# KiCad board Controller.kicad_pcb
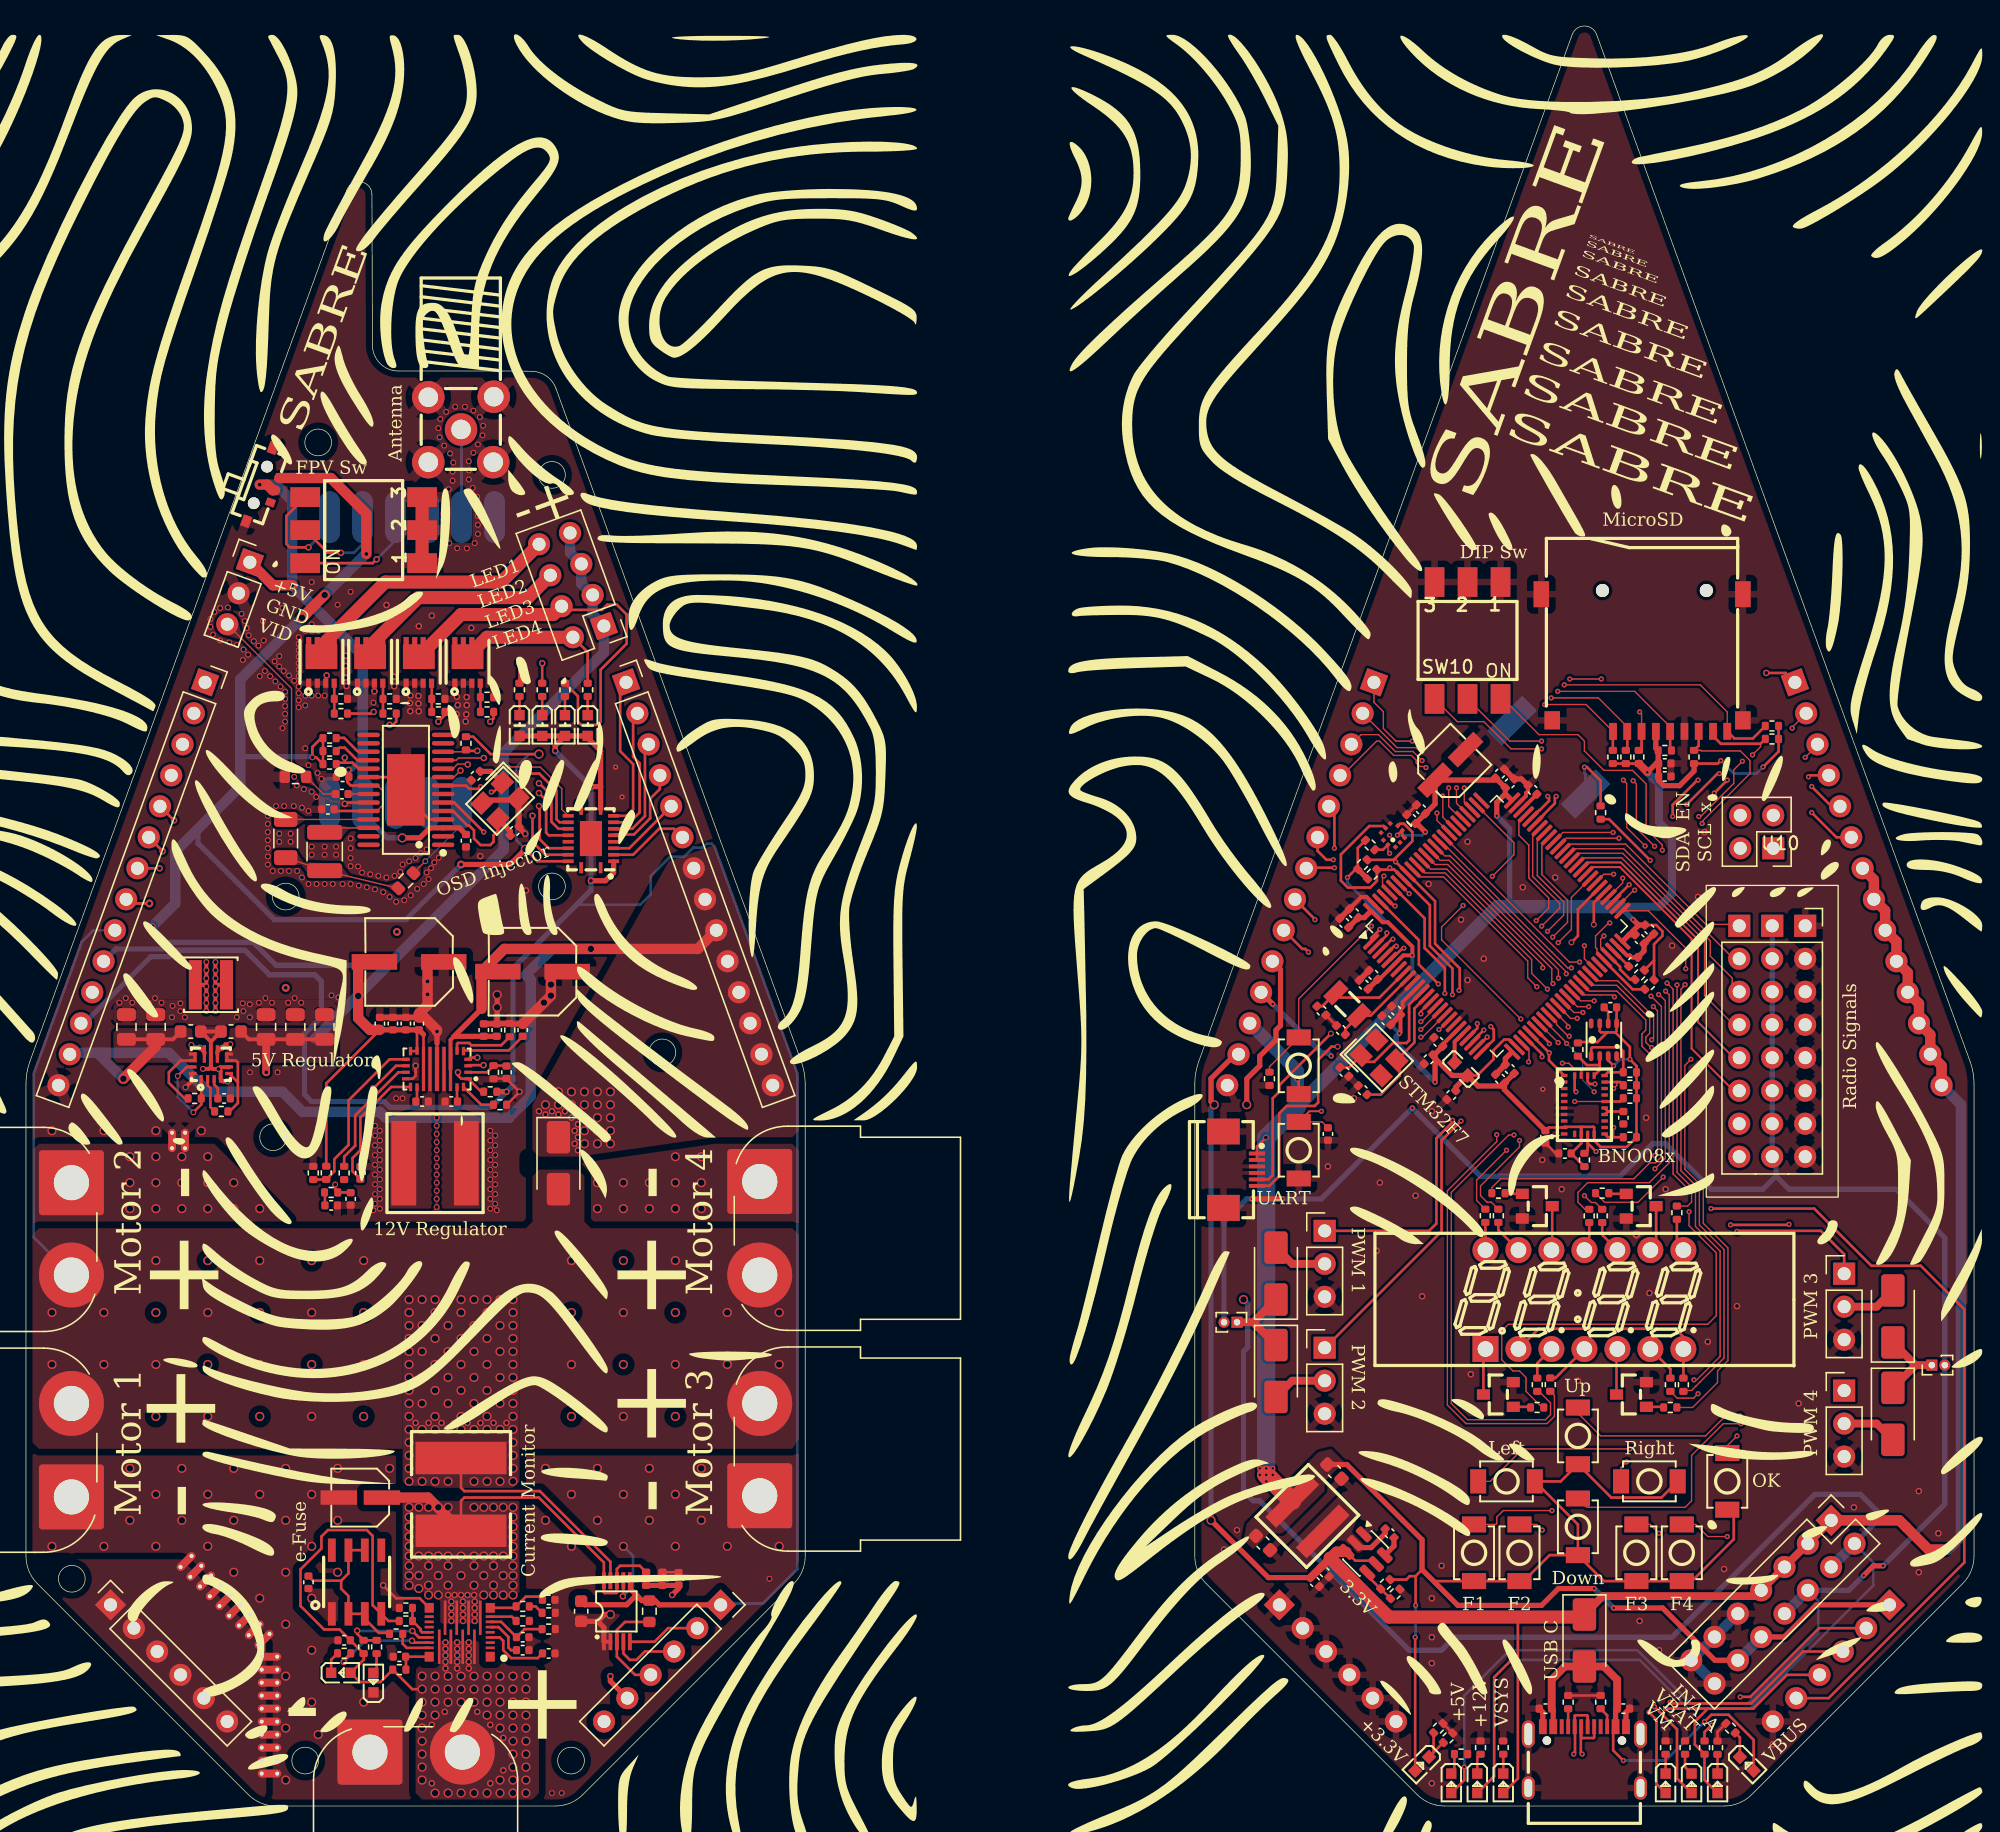
[diagram p0: board, top side]
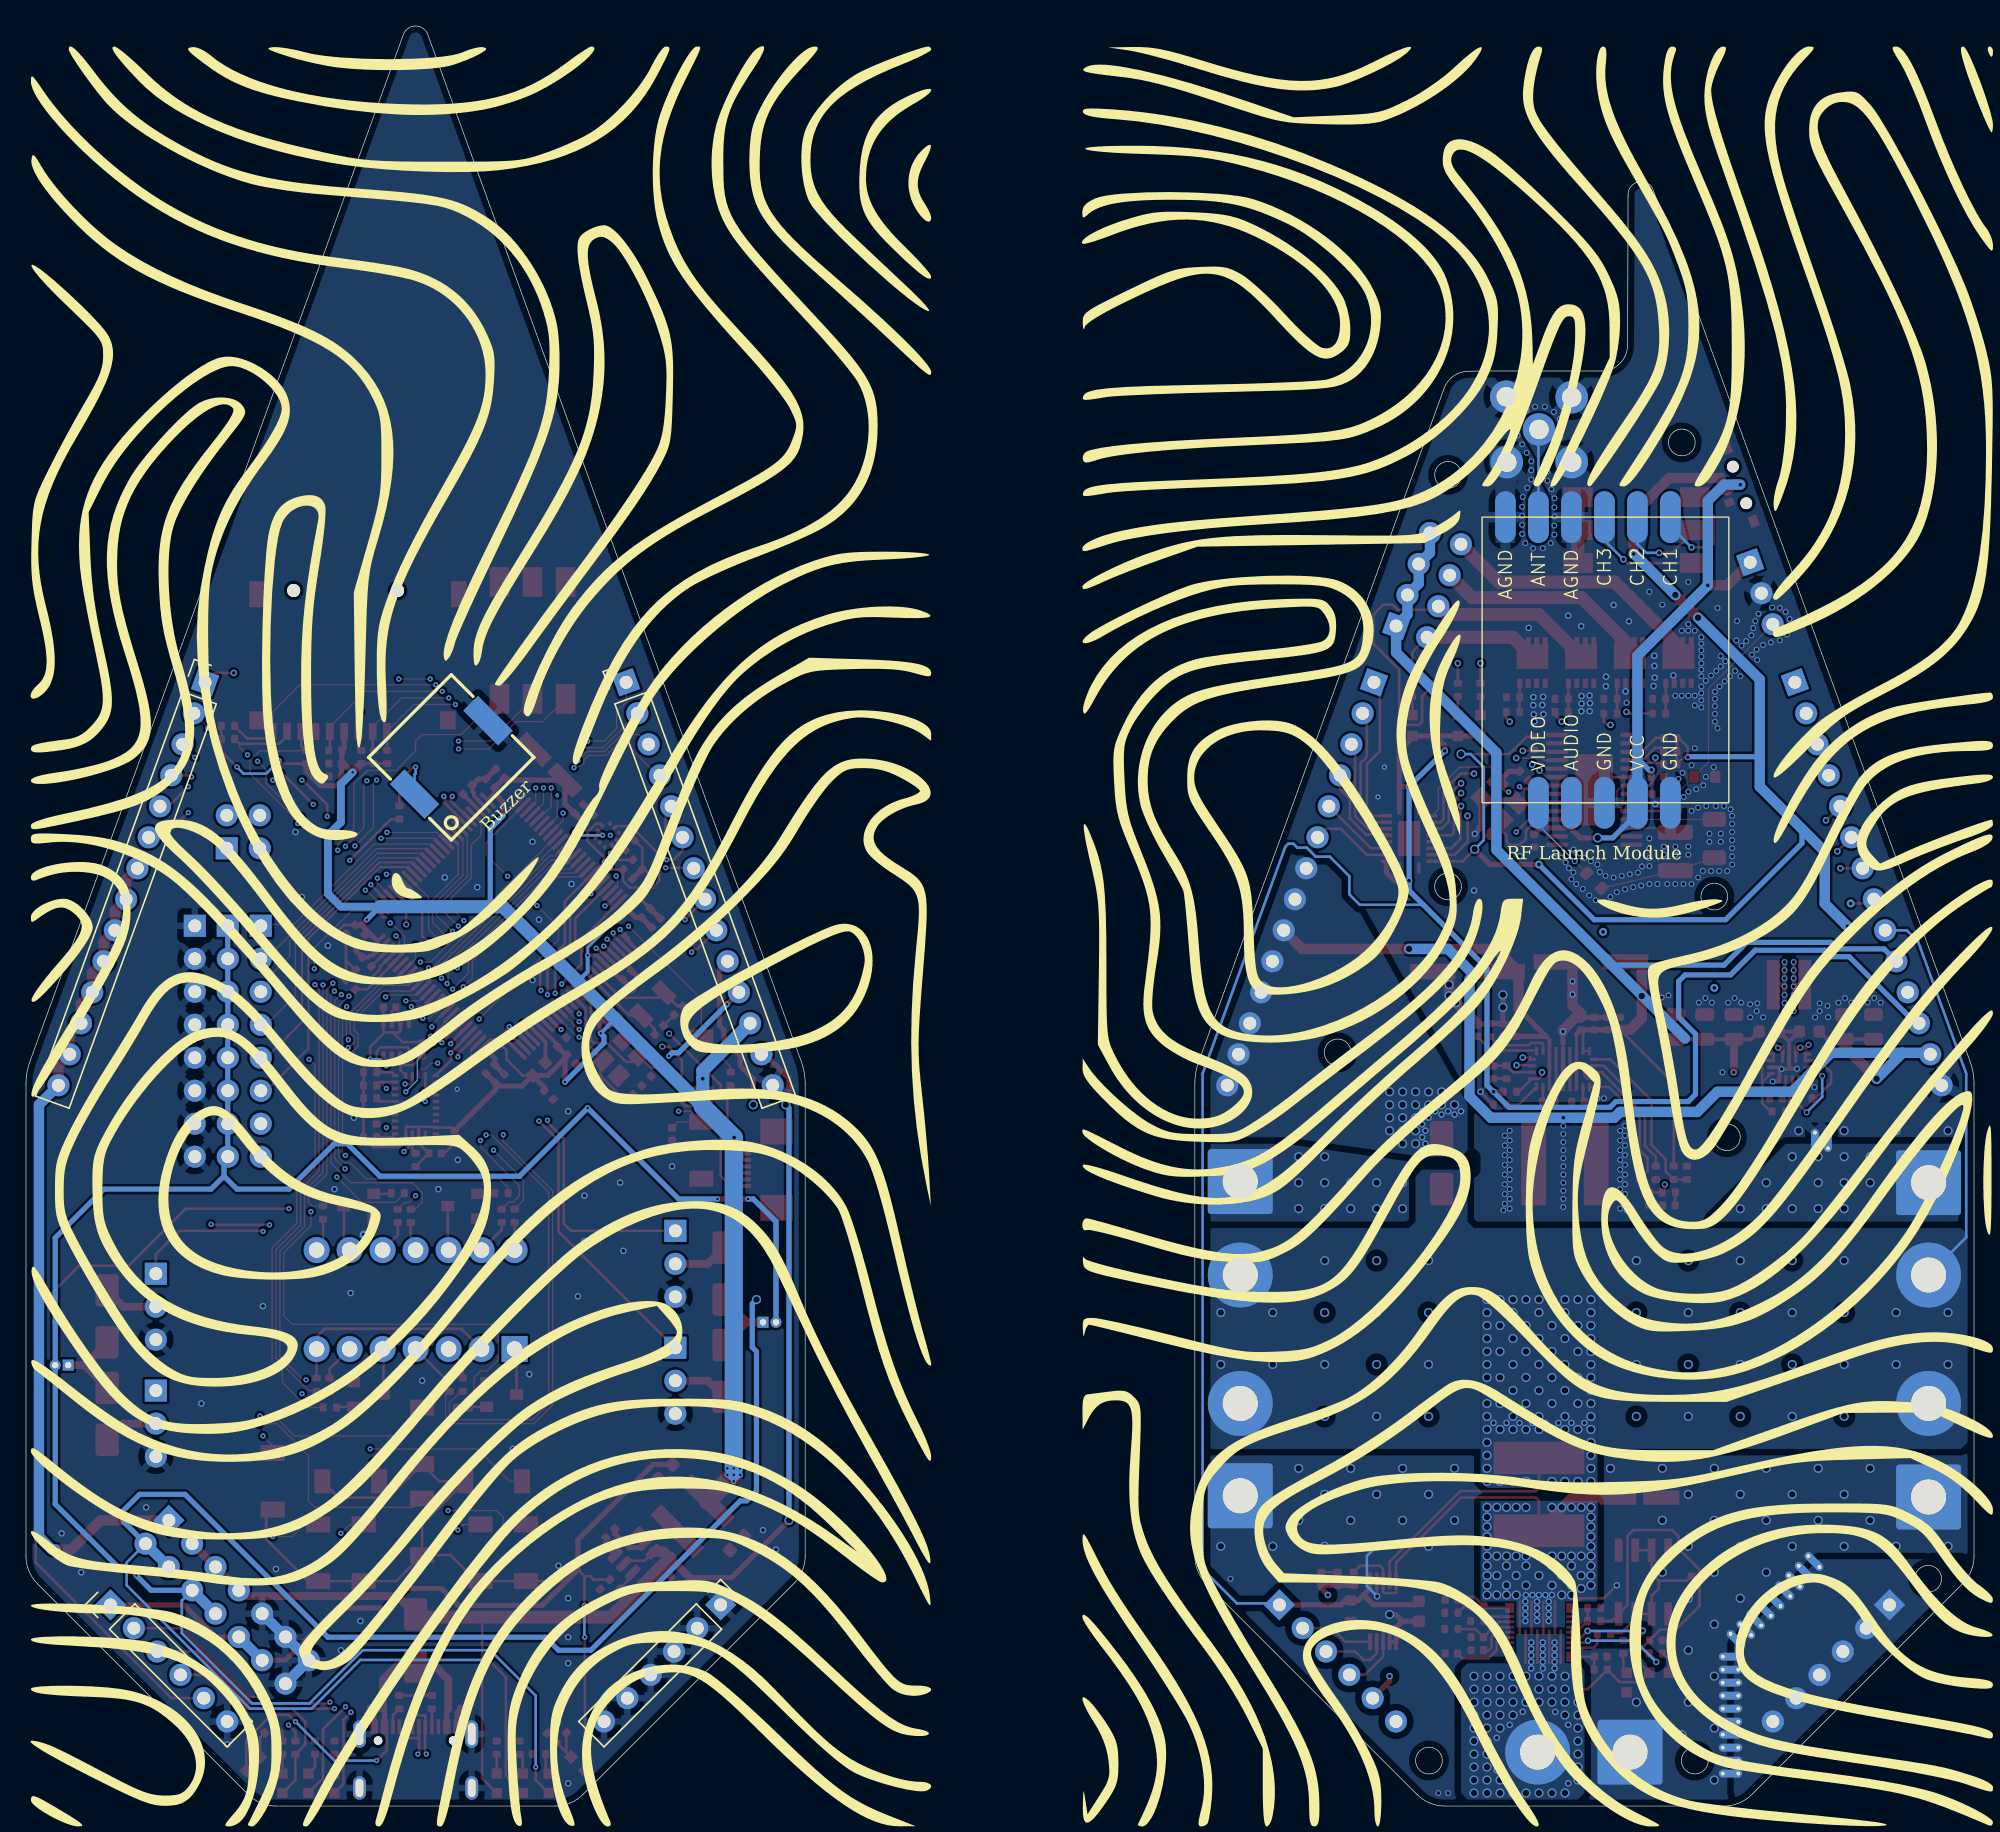
[diagram p1: board, bottom side, seen from below]

Outline 150 x 137.07 mm; copper layers: Top, In1.Cu, In2.Cu, Bottom. Coordinates in mm from the lower left corner of the outline.
Outline path: circle c3.53,17.5 r1.03 ; circle c19.03,51.5 r1.03 ; circle c20,70.03 r1.03 ; circle c21.5,3.5 r1.03 ; circle c22.5,105 r1.03 ; circle c40.5,102.5 r1.03 ; circle c40.5,70.81 r1.03 ; circle c41.97,3.5 r1.03 ; circle c49,58.03 r1.03 ; 0,55.62 arc(0.08,56.49) 0.3,57.33 24.7,124.42 arc(25.81,125.07) 26.64,124.09 26.68,112.49 arc(27.26,111.08) 28.68,110.5 38,110.5 38.98,110.48 arc(40.09,110.1) 40.81,109.16 53.5,74.25 55.9,67.76 59.7,57.33 arc(59.92,56.49) 60,55.62 60,19.24 arc(59.77,18.09) 59.12,17.12 42.88,0.88 arc(41.91,0.23) 40.76,0 19.24,0 arc(18.09,0.23) 17.12,0.88 0.88,17.12 arc(0.23,18.09) 0,19.24 0,55.62 ; 90,55.62 arc(90.08,56.49) 90.3,57.33 94,67.5 104.57,96.47 119.06,136.41 arc(120,137.07) 120.94,136.41 135.43,96.47 149.7,57.33 arc(149.92,56.49) 150,55.62 150,19.24 arc(149.77,18.09) 149.12,17.12 132.88,0.88 arc(131.91,0.23) 130.76,0 109.24,0 arc(108.09,0.23) 107.12,0.88 90.88,17.12 arc(90.23,18.09) 90,19.24 90,55.62
Stack: Top 0.035mm / dielectric 0.1mm FR4 er 4.5 / In1.Cu 0.035mm / dielectric 1.24mm FR4 er 4.5 / In2.Cu 0.035mm / dielectric 0.1mm FR4 er 4.5 / Bottom 0.035mm

## Placement (name value [footprint] x y rotation side)
BUZ1  CPT-9019S-SMT-TR  [BUZ-SMD_L9.0-W9.0-P8.00-LS9.3]  117.25 80.75 135 bottom
C1  0.1uF  [C_0603_1608Metric]  42.75 15 90 top
C2  100nF  [C_0402_1005Metric]  15.26 54.49 0 top
C3  10uF  [C_0603_1608Metric]  12.69 59.64 180 top
C4  10uF  [C_0805_2012Metric]  7.74 59.99 270 top
C5  10uF  [C_0805_2012Metric]  9.99 59.99 270 top
C6  10uF  [C_0603_1608Metric]  15.79 59.64 0 top
C7  22uF  [C_0805_2012Metric]  20.74 59.99 270 top
C8  22uF  [C_0805_2012Metric]  22.99 59.99 270 top
C9  22uF  [C_0805_2012Metric]  18.49 59.99 270 top
C10  2.2uF  [C_0402_1005Metric]  99.25 17.25 315 top
C11  100nF  [C_0402_1005Metric]  105 21 135 top
C12  22uF  [C_0603_1608Metric]  100.75 25.75 135 top
C13  22uF  [C_0603_1608Metric]  95.25 20.25 135 top
C14  100nF  [C_0402_1005Metric]  32.75 54.25 180 top
C15  100nF  [C_0402_1005Metric]  30.5 54.25 0 top
C16  22uF  [C_0402_1005Metric]  35.25 59.75 270 top
C17  4.7uF  [C_0402_1005Metric]  25.75 48.75 270 top
C18  22nF  [C_0402_1005Metric]  38.25 59.75 270 top
C19  22uF  [C_0402_1005Metric]  28.25 60.25 270 top
C20  22uF  [C_0402_1005Metric]  27.25 60.25 270 top
C21  22uF  [C_0402_1005Metric]  30.25 60.25 270 top
C22  22uF  [C_0402_1005Metric]  29.25 60.25 270 top
C23  3300pF  [C_0402_1005Metric]  25 46.75 90 top
C24  330pF  [C_0402_1005Metric]  23.5 46.25 180 top
C25  47uF  [CAP-SMD_BD6.3-L6.6-W6.6-LS7.2-FD]  29.5 65 180 top
C27  100nF  [C_0402_1005Metric]  36.25 59.75 270 top
C28  22nF  [C_0402_1005Metric]  50.25 17.5 270 top
C29  100nF  [C_0402_1005Metric]  106.66 76 135 top
C30  100nF  [C_0402_1005Metric]  107.41 76.75 135 top
C31  100nF  [C_0402_1005Metric]  123 53 90 top
C32  100nF  [C_0402_1005Metric]  118.5 50.25 0 top
C33  100nF  [C_0402_1005Metric]  117 51.52 90 top
C34  100nF  [C_0402_1005Metric]  122 61.5 0 top
C35  10uF  [C_0402_1005Metric]  117 7.5 180 top
C36  100nF  [C_0402_1005Metric]  33.88 74.33 90 top
C37  100nF  [C_0402_1005Metric]  23.25 76.75 0 top
C38  100nF  [C_0402_1005Metric]  24.38 79.25 0 top
C39  20pF  [C_0402_1005Metric]  34.63 79.33 225 top
C40  20pF  [C_0402_1005Metric]  37.63 75.08 225 top
C41  100nF  [C_0402_1005Metric]  24.33 77.92 0 top
C42  RVT1C220M0405_C3356_22uF  [CAP-SMD_BD4.0-L4.3-W4.3-FD-LS5.3]  109.67 80.17 45 top
C43  10uF  [C_0402_1005Metric]  103 63.25 135 top
C44  100nF  [C_0402_1005Metric]  37 56.5 270 top
C45  100nF  [C_0402_1005Metric]  124.25 66.75 315 top
C46  100nF  [C_0402_1005Metric]  114.25 56.75 135 top
C47  100nF  [C_0402_1005Metric]  104.75 60.5 135 top
C48  100nF  [C_0402_1005Metric]  103.75 64 135 top
C49  100nF  [C_0402_1005Metric]  109.75 54.75 225 top
C50  100nF  [C_0402_1005Metric]  102.25 68.75 135 top
C51  100nF  [C_0402_1005Metric]  114.25 78.75 45 top
C52  1uF  [C_0402_1005Metric]  101.5 68 135 top
C53  1uF  [C_0402_1005Metric]  113.5 79.5 45 top
C54  1uF  [C_0402_1005Metric]  113.5 56 135 top
C55  1uF  [C_0402_1005Metric]  125 67.5 315 top
C56  10uF  [C_0402_1005Metric]  105.5 61.25 135 top
C57  2.2uF  [C_0402_1005Metric]  123.75 65 225 top
C58  2.2uF  [C_0402_1005Metric]  116 78.25 315 top
C59  6.8pF  [C_0402_1005Metric]  99.75 61.25 315 top
C60  20pF  [C_0402_1005Metric]  102.93 55.12 135 top
C61  20pF  [C_0402_1005Metric]  101.52 56.53 135 top
C62  6.8pF  [C_0402_1005Metric]  101.25 59.75 135 top
C63  100nF  [C_0402_1005Metric]  100.25 51.75 270 top
C64  100nF  [C_0402_1005Metric]  108 57.5 225 top
C65  1uF  [C_0402_1005Metric]  108.75 58.84 135 top
C66  100uF  [C_1210_3225Metric]  23 73.5 90 top
C67  100nF  [C_0402_1005Metric]  126.19 80.28 0 top
C68  10uF  [C_0402_1005Metric]  126.19 79.28 0 top
C69  0.1uF  [C_0402_1005Metric]  28.75 11.5 0 top
C70  15nF  [C_0402_1005Metric]  38.25 12 0 top
C71  3.3nF  [C_0402_1005Metric]  40.25 11.75 0 top
C72  10nF  [C_0402_1005Metric]  38.25 13 180 top
C73  150pF  [C_0402_1005Metric]  40.25 15.88 180 top
C74  RVT1C220M0405_C3356_22uF  [CAP-SMD_BD4.0-L4.3-W4.3-FD-LS5.3]  25.75 23.75 180 top
C75  0.1uF  [C_0402_1005Metric]  24.5 12.76 0 top
C76  0.1uF  [C_0402_1005Metric]  21.75 17.23 270 top
C77  10uF  [C_0402_1005Metric]  123 7.5 0 top
C78  100nF  [C_0402_1005Metric]  100 18 315 top
C79  22uF  [C_1206_3216Metric]  20 74.5 90 top
Card2  TF-01A  [TF-SMD_TF-01A]  124.44 88.03 180 top
CN1  XT60PW_M  [AMASS_XT60PW-M_1x02_P7.20mm_Horizontal]  33.6 4.15 180 top
CN2  XT60PW_F  [AMASS_XT60PW-F_1x02_P7.20mm_Horizontal#2]  3.5 31 90 top
CN4  XT60PW_F  [AMASS_XT60PW-F_1x02_P7.20mm_Horizontal]  3.5 48 90 top
CN5  XT60PW_F  [AMASS_XT60PW-F_1x02_P7.20mm_Horizontal#2]  56.5 40.89 270 top
CN6  XT60PW_F  [AMASS_XT60PW-F_1x02_P7.20mm_Horizontal]  56.5 23.89 270 top
D1  SS34  [D_SMA]  120 12.75 270 top
D2  SS34  [D_SMA]  41 49.5 270 top
D3  SS34  [D_SMA]  96.25 41 90 top
D4  SS34  [D_SMA]  96.25 33.5 270 top
D5  SS34  [D_SMA]  143.75 37.7 90 top
D6  SS34  [D_SMA]  143.75 30.2 270 top
GPS  FPC-05F-6PH20  [FPC-SMD_6P-P0.50_XUNPU_FPC-05F-6PH20]  93.5 49 270 top
J1  Conn_02x07_Odd_Even  [PinHeader_2x07_P2.54mm_Vertical]  139 22 315 top  (not fitted)
J2  Conn_01x02_Pin  [PinHeader_1x02_P1.00mm_Vertical]  93.25 37.25 270 top
J5  Conn_01x03_Pin  [PinHeader_1x03_P2.54mm_Vertical]  100 44.29 0 top
J6  Conn_01x03_Pin  [PinHeader_1x03_P2.54mm_Vertical]  100 35.29 0 top
J7  Conn_01x03_Pin  [PinHeader_1x03_P2.54mm_Vertical]  140 40.99 0 top
J8  Conn_01x03_Pin  [PinHeader_1x03_P2.54mm_Vertical]  140 31.99 0 top
J9  Conn_01x02_Pin  [PinHeader_1x02_P1.00mm_Vertical]  146.75 33.95 90 top
J10  Conn_01x03_Pin  [PinHeader_1x03_P2.54mm_Vertical]  17.24 95.77 340 top
J12  Conn_02x02_Top_Bottom  [PinHeader_2x02_P2.54mm_Vertical]  134.54 73.75 180 top  (not fitted)
J13  Conn_01x14_Pin  [PinHeader_1x14_P2.54mm_Vertical]  92.5 55.5 160 bottom
J14  Conn_01x06_Pin  [PinHeader_1x06_P2.54mm_Vertical]  143.49 15.49 135 bottom
J15  Conn_01x14_Socket  [PinSocket_1x14_P2.54mm_Vertical]  2.5 55.5 340 top
J16  Conn_01x06_Socket  [PinSocket_1x06_P2.54mm_Vertical]  53.49 15.49 315 top
J17  Conn_01x06_Socket  [PinSocket_1x06_P2.54mm_Vertical]  6.51 15.49 45 top
J18  Conn_01x14_Pin  [PinHeader_1x14_P2.54mm_Vertical]  147.5 55.5 200 bottom
J19  Conn_01x06_Pin  [PinHeader_1x06_P2.54mm_Vertical]  96.51 15.49 225 bottom
J20  Conn_01x14_Socket  [PinSocket_1x14_P2.54mm_Vertical]  57.5 55.5 20 top
J21  Conn_02x04_Odd_Even  [PinHeader_2x04_P2.54mm_Vertical]  44.5 90.87 200 top
L1  XFL4020-152MEC  [IND-SMD_L4.0-W4.0-A]  14.24 63.24 180 top
L2  FCM1608KF-601T03  [L0603]  110.5 56.75 315 top
LED1  FJ2481CH  [LED-SEG-TH_14P-L32.2-W10.2-P2.54-S7.62-BL]  120 39 0 top
LED2  KT-0603YG  [LED0603-RD]  132.5 3.25 315 top
LED3  KT-0603R  [LED0603-RD]  130.25 1.75 270 top
LED4  KT-0603W  [LED0603-R-RD_WHITE]  38 83.2 270 top
LED5  KT-0603W  [LED0603-R-RD_WHITE]  39.75 83.2 270 top
LED6  KT-0603W  [LED0603-R-RD_WHITE]  41.5 83.2 270 top
LED7  KT-0603W  [LED0603-R-RD_WHITE]  43.25 83.2 270 top
LED8  KT-0603R  [LED0603-RD]  24.25 10.26 0 top
LED9  KT-0603YG  [LED0603-RD]  26.75 9.5 90 top
LED11  KT-0603YG  [LED0603-RD]  128.25 1.75 270 top
LED12  KT-0603YG  [LED0603-RD]  126.25 1.75 270 top
LED13  KT-0603YG  [LED0603-RD]  113.75 1.75 270 top
LED14  KT-0603YG  [LED0603-RD]  111.75 1.75 270 top
LED15  KT-0603YG  [LED0603-RD]  109.75 1.75 270 top
LED16  KT-0603YG  [LED0603-RD]  107.5 3.25 225 top
NT1  NetTie_2  [NetTie-2_THT_Pad0.3mm]  14.9 15.4 45 top
NT7  NetTie_2  [NetTie-2_THT_Pad0.3mm]  15.65 14.65 45 top
NT8  NetTie_2  [NetTie-2_THT_Pad0.3mm]  16.4 13.9 45 top
NT9  NetTie_2  [NetTie-2_THT_Pad0.3mm]  17.15 13.15 45 top
NT10  NetTie_2  [NetTie-2_THT_Pad0.3mm]  11.9 18.4 45 top
NT10#2  NetTie_2  [NetTie-2_THT_Pad0.3mm]  18.15 11.5 0 top
NT10#3  NetTie_2  [NetTie-2_THT_Pad0.3mm]  18.15 3.5 0 top
NT10#4  NetTie_2  [NetTie-2_THT_Pad0.3mm]  18.15 7.5 0 top
NT11  NetTie_2  [NetTie-2_THT_Pad0.3mm]  12.65 17.65 45 top
NT11#2  NetTie_2  [NetTie-2_THT_Pad0.3mm]  18.15 10.5 0 top
NT11#3  NetTie_2  [NetTie-2_THT_Pad0.3mm]  18.15 6.5 0 top
NT11#4  NetTie_2  [NetTie-2_THT_Pad0.3mm]  18.15 2.5 0 top
NT12  NetTie_2  [NetTie-2_THT_Pad0.3mm]  12.25 51.85 270 top
NT13  NetTie_2  [NetTie-2_THT_Pad0.3mm]  18.15 4.5 0 top
NT13#2  NetTie_2  [NetTie-2_THT_Pad0.3mm]  18.15 8.5 0 top
NT13#3  NetTie_2  [NetTie-2_THT_Pad0.3mm]  14.15 16.15 45 top
NT14  NetTie_2  [NetTie-2_THT_Pad0.3mm]  17.9 12.4 45 top
NT15  NetTie_2  [NetTie-2_THT_Pad0.3mm]  18.15 9.5 0 top
NT15#2  NetTie_2  [NetTie-2_THT_Pad0.3mm]  13.4 16.9 45 top
NT15#3  NetTie_2  [NetTie-2_THT_Pad0.3mm]  18.15 5.5 0 top
NT16  NetTie_2  [NetTie-2_THT_Pad0.3mm]  11.25 51.85 270 top
Q1  CSD16340Q3  [VSON-CLIP-8_L3.3-W3.3-P0.65-BL]  22.75 88.06 0 top
Q2  CSD16340Q3  [VSON-CLIP-8_L3.3-W3.3-P0.65-BL]  26.5 88.06 0 top
Q3  CSD16340Q3  [VSON-CLIP-8_L3.3-W3.3-P0.65-BL]  34 88.06 0 top
Q5  CSD16340Q3  [VSON-CLIP-8_L3.3-W3.3-P0.65-BL]  30.25 88.06 0 top
Q7  LBSS138LT1G  [SOT-23_L2.9-W1.3-P1.90-LS2.4-BR]  113.37 31.69 0 top
Q8  LBSS138LT1G  [SOT-23_L2.9-W1.3-P1.90-LS2.4-BR]  123.62 31.69 0 top
Q9  LBSS138LT1G  [SOT-23_L2.9-W1.3-P1.90-LS2.4-BR]  124.37 46.19 180 top
Q10  LBSS138LT1G  [SOT-23_L2.9-W1.3-P1.90-LS2.4-BR]  116.37 46.19 180 top
R1  5.1K  [R_0402_1005Metric]  121.25 8 90 top
R2  5.1K  [R_0402_1005Metric]  118.75 8 90 top
R3  HOLR2725D-4W-2MR-1%  [R2725]  33.5 24 270 top
R4  220  [R_0402_1005Metric]  130.25 4.49 90 top
R5  680  [R_0402_1005Metric]  127.75 4.5 90 top
R6  10K  [R_0402_1005Metric]  129.25 4.5 90 top
R7  10K  [R_0402_1005Metric]  12.99 54.49 0 top
R8  100K  [R_0402_1005Metric]  15.04 53.49 0 top
R9  100K  [R_0402_1005Metric]  104.67 17.08 45 top
R10  22.1K  [R_0402_1005Metric]  105.42 16.34 45 top
R11  68K  [R_0402_1005Metric]  23.12 48.76 90 top
R12  10K  [R_0402_1005Metric]  23.5 47.25 0 top
R13  56K  [R_0402_1005Metric]  24.5 48.75 90 top
R14  56K  [R_0402_1005Metric]  37.25 59.75 90 top
R15  24K  [R_0402_1005Metric]  38.25 15.38 0 top
R16  4.7K  [R_0402_1005Metric]  22.12 48.75 270 top
R17  220  [R_0402_1005Metric]  24.25 84.12 0 top
R18  220  [R_0402_1005Metric]  28 84.12 0 top
R19  220  [R_0402_1005Metric]  35.5 84.25 0 top
R20  10K  [R_0402_1005Metric]  36.5 54 0 top
R21  220  [R_0402_1005Metric]  31.75 84.25 0 top
R22  10K  [R_0402_1005Metric]  95.75 56 270 top
R23  150K  [R_0402_1005Metric]  47.75 17.5 270 top
R24  47K  [R_0402_1005Metric]  49 17.5 90 top
R25  2.2K  [R_0402_1005Metric]  119.5 58.25 90 top
R26  2.2K  [R_0402_1005Metric]  123.5 56.5 0 top
R27  10K  [R_0402_1005Metric]  120 49.75 90 top
R28  10K  [R_0402_1005Metric]  35.75 55 180 top
R29  10K  [R_0402_1005Metric]  24.25 85.25 180 top
R30  10K  [R_0402_1005Metric]  28 85.25 180 top
R31  10K  [R_0402_1005Metric]  31.75 85.25 180 top
R32  1K  [R_0402_1005Metric]  28.75 10.5 180 top
R33  68K  [R_0402_1005Metric]  29.25 14.25 180 top
R34  10K  [R_0402_1005Metric]  35.5 85.38 180 top
R35  10K  [R_0402_1005Metric]  36 56.5 90 top
R36  220  [R_0402_1005Metric]  126.61 30.69 180 top
R37  220  [R_0402_1005Metric]  117.37 32.45 270 top
R38  220  [R_0402_1005Metric]  126.62 32.44 270 top
R39  220  [R_0402_1005Metric]  127.62 32.44 270 top
R40  220  [R_0402_1005Metric]  116.37 32.44 270 top
R41  220  [R_0402_1005Metric]  120.37 45.44 90 top
R42  220  [R_0402_1005Metric]  112.37 45.45 90 top
R43  220  [R_0402_1005Metric]  121.37 45.44 90 top
R44  220  [R_0402_1005Metric]  127.12 45.69 90 top
R45  220  [R_0402_1005Metric]  113.37 45.45 90 top
R46  220  [R_0402_1005Metric]  116.36 30.69 180 top
R47  220  [R_0402_1005Metric]  121.37 47.19 0 top
R48  220  [R_0402_1005Metric]  113.38 47.19 0 top
R49  10K  [R_0402_1005Metric]  29.25 15.25 0 top
R50  160  [R_0402_1005Metric]  38.25 14.25 180 top
R51  1.1K  [R_0402_1005Metric]  40.25 13.62 0 top
R52  24K  [R_0402_1005Metric]  40.25 14.88 0 top
R53  1.5K  [R_0402_1005Metric]  24.5 11.76 0 top
R54  1K  [R_0402_1005Metric]  27 12.25 90 top
R55  2.2K  [R_0402_1005Metric]  26 12.25 90 top
R56  50K  [R_0402_1005Metric]  28.5 13.25 0 top
R58  10K  [R_0402_1005Metric]  134.44 83.17 0 top
R60  220  [R_0402_1005Metric]  39.75 85.95 90 top
R61  10K  [R_0402_1005Metric]  122.19 80.78 270 top
R62  10K  [R_0402_1005Metric]  134.44 82.17 0 top
R63  10K  [R_0402_1005Metric]  128.44 80.78 270 top
R64  10K  [R_0402_1005Metric]  126.19 81.28 180 top
R65  10K  [R_0402_1005Metric]  124.19 80.78 270 top
R66  10K  [R_0402_1005Metric]  123.19 80.78 270 top
R67  220  [R_0402_1005Metric]  38 85.95 90 top
R68  220  [R_0402_1005Metric]  41.5 85.95 90 top
R69  220  [R_0402_1005Metric]  43.25 85.95 90 top
R72  680  [R_0402_1005Metric]  131.25 6 135 top
R73  680  [R_0402_1005Metric]  126.25 4.5 90 top
R74  680  [R_0402_1005Metric]  113.75 4.5 90 top
R75  680  [R_0402_1005Metric]  112 4.5 90 top
R76  220  [R_0402_1005Metric]  110.5 4 0 top
R77  220  [R_0402_1005Metric]  108.75 6 45 top
R78  100  [R_0402_1005Metric]  121.25 76.5 90 top
R82  220  [R_0402_1005Metric]  109.5 5.25 45 top
R83  75  [R_0603_1608Metric]  20.75 79.25 180 top
R84  75  [R_0603_1608Metric]  29.25 71.25 225 top
R85  1K  [R_0402_1005Metric]  23.38 82.23 180 top
R86  1K  [R_0402_1005Metric]  33.88 81.83 90 top
R87  1K  [R_0402_1005Metric]  23.38 81.23 180 top
R88  10K  [R_0402_1005Metric]  23.38 80.23 180 top
R96  10K  [R_0402_1005Metric]  123.5 51.5 180 top
R97  10K  [R_0402_1005Metric]  123.5 54.5 180 top
R98  10K  [R_0402_1005Metric]  123.5 55.5 180 top
R99  4.7K  [R_0402_1005Metric]  102.91 72.5 45 top
R100  4.7K  [R_0402_1005Metric]  103.66 71.75 45 top
R101  10K  [R_0603_1608Metric]  48 15 90 top
R102  10K  [R_0402_1005Metric]  103.5 74 315 top
R103  4.7K  [R_0402_1005Metric]  125 63.25 45 top
R104  4.7K  [R_0402_1005Metric]  124.25 64 45 top
SW1  TS-1088-AR02016  [SW-SMD_L3.9-W3.0-P4.45]  114 25 0 top
SW2  TS-1088-AR02016  [SW-SMD_L3.9-W3.0-P4.45]  125 25 0 top
SW3  TS-1088-AR02016  [SW-SMD_L3.9-W3.0-P4.45]  119.5 28.5 270 top
SW4  TS-1088-AR02016  [SW-SMD_L3.9-W3.0-P4.45]  119.5 21.5 270 top
SW5  TS-1088-AR02016  [SW-SMD_L3.9-W3.0-P4.45]  131 25 270 top
SW6  TS-1088-AR02016  [SW-SMD_L3.9-W3.0-P4.45]  111.5 19.5 270 top
SW7  TS-1088-AR02016  [SW-SMD_L3.9-W3.0-P4.45]  115 19.5 270 top
SW8  TS-1088-AR02016  [SW-SMD_L3.9-W3.0-P4.45]  124 19.5 270 top
SW9  TS-1088-AR02016  [SW-SMD_L3.9-W3.0-P4.45]  127.5 19.5 270 top
SW10  DSIC03LSGET  [SW-SMD_DSIC03LSGET]  111 89.75 180 top
SW11  TS-1088-AR02016  [SW-SMD_L3.9-W3.0-P4.45]  98 50.5 90 top
SW12  TS-1088-AR02016  [SW-SMD_L3.9-W3.0-P4.45]  98 57 90 top
SW13  MK-11C04-G013  [SW-SMD_MK-11C04-G013]  18.58 101.53 250 top
SW14  DSIC03LSGET  [SW-SMD_DSIC03LSGET]  26 98.25 90 top
U1  STM32F765VGTx  [LQFP-100_14x14mm_P0.5mm]  113.25 67.75 45 top
U2  BNO080  [LGA-28_L5.2-W3.8-P0.50-BL-1]  120 54 0 top
U3  BMP580  [LGA-10_L2.0-W2.0-P0.50-TL_BMP580]  105.25 74.75 225 top
U4  XAL5050-562MEC  [IND-SMD_L5.5-W5.3]  98.67 22.33 135 top
U5  MAX7456EUI  [HTSSOP-28_L9.7-W4.4-P0.65-LS6.4-BL-EP5.5]  29.25 78.25 90 top
U6  SMA_Conn  [SMA-TH_SMA-KWE_C7498154]  33.5 106 270 top
U7  TPS55289RYQR  [VQFN-21_L5.0-W3.0-P0.50-TL]  31.65 56.75 180 top
U8  XAL7070-472MEC  [IND-SMD_L7.5-W7.2-1]  31.5 49.5 0 top
U9  TPS630701RNMT  [VQFN-15_L3.0-W2.5-P0.50-BL]  14.24 56.95 0 top
U10  ~  [MC7RE]  134.46 58.89 0 top  (not fitted)
U11  INA226AQDGSRQ1  [VSSOP-10_L3.0-W3.0-P0.50-LS4.9-BL]  45.5 15 0 top
U12  LMR51430XF  [SOT-23-6]  103.15 19.44 315 top
U13  100uF  [CAP-SMD_BD6.3-L6.6-W6.6-LS7.2-FD-1]  39 64.25 180 top
U14  BME280  [LGA-8_BME280_BL]  121.5 59 270 top
U15  S322527M20PF10PPM  [CRYSTAL-SMD_4P-L3.2-W2.5-BL]  36.51 77.4 225 top
U16  TXB0108RGYR  [VQFN-20_L4.5-W3.5-P0.50-BL-EP]  43.5 74.5 90 top
U17  -  [TX5813]  28.38 88.25 90 bottom
U19  TPS259850RQPR  [QFN-26_L5.0-W4.5_TPS259850RQPR]  33.4 13.38 180 top
U20  LD1117D33TR  [SO-8_L4.9-W3.9-P1.27-LS6.0-BL]  25.46 17.25 0 top
USB1  TYPE-C 16P(073)  [USB-C-SMD_TYPE-C16PIN_C668624]  120 3.75 0 top
X1  X322525MOB4SI  [CRYSTAL-SMD_4P-L3.2-W2.5-BL]  104.18 57.62 315 top
X2  Q13FC1350000400  [FC-135R_L3.2-W1.5]  101.75 61.75 315 top

## Library data of the parts
BUZ1 = -: LCSC Part: C95163
C1-C4 C6-C15 C17-C24 C28-C41 C43-C73 C75-C79 = -: Description: Unpolarized capacitor; ki_fp_filters: C_*
C5 = -: Description: Unpolarized capacitor X7S; ki_fp_filters: C_*
C16 C27 = -: Description: X7R MLCC 25V; ki_fp_filters: C_*
C25 = -: Description: RVT1E470M0605 25V; LCSC Part: C970677
C42 C74 = -: Datasheet: https://lcsc.com/product-detail/Aluminum-Electrolytic-Capacitors-SMD_22uF-16V_C3356.html; LCSC Part: C3356
Card2 = -: Datasheet: https://lcsc.com/product-detail/Card-Sockets_TF-01A_C91145.html; LCSC Part: C91145
CN1 = -: LCSC Part: C98732
CN2 CN4-CN6 = -: LCSC Part: C428722
D1-D6 = -: Datasheet: https://www.vishay.com/docs/88751/ss32.pdf; Description: 40V 3A Schottky Diode, SMA; ki_fp_filters: D*SMA*